# Altium PCB SCAP-PI-2L.PcbDoc (continued)
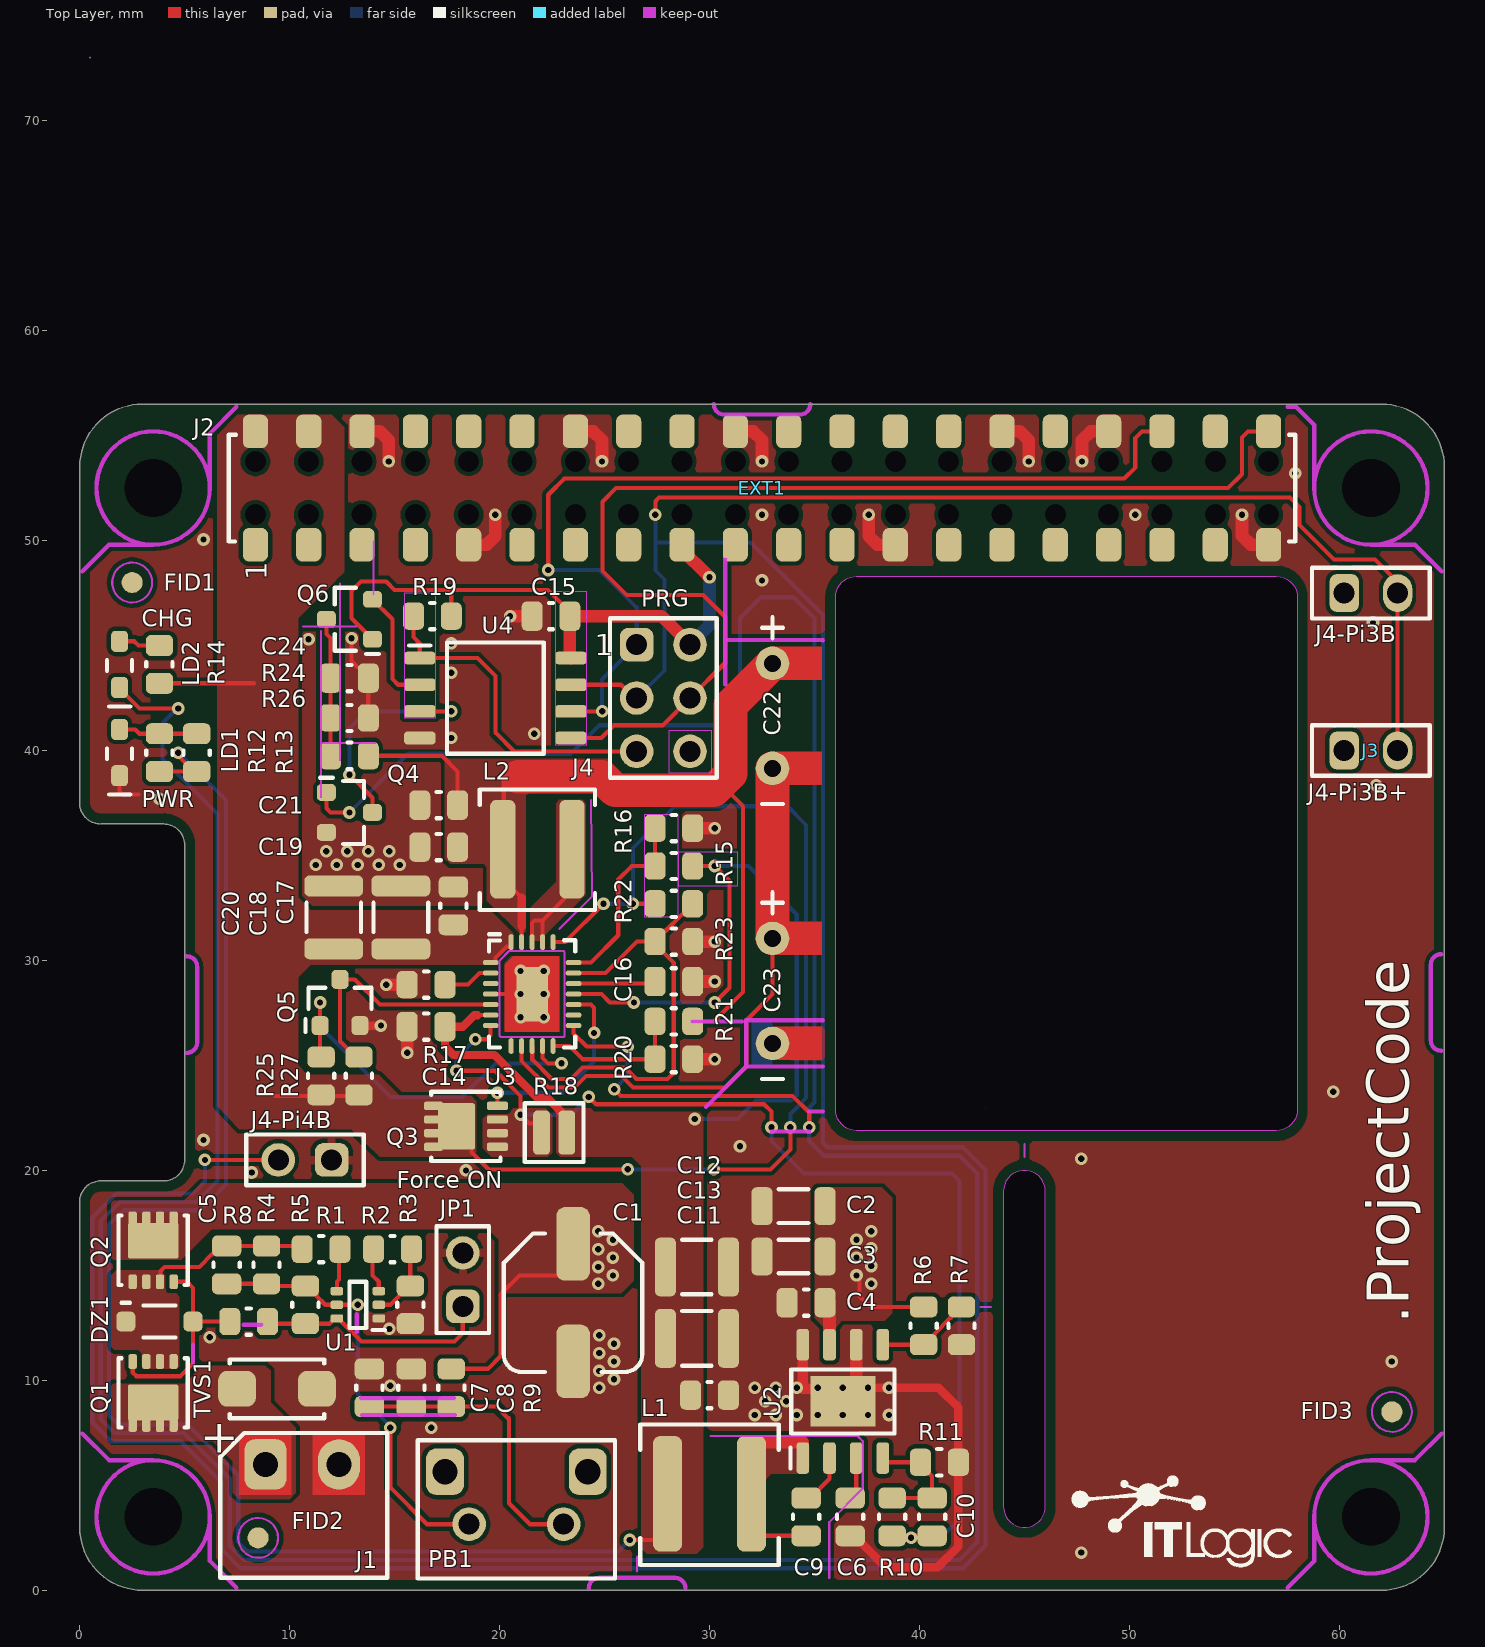
[diagram p0: Top Layer view]
## Footprints (in the part's own frame and the unit in brackets; to place one, negate y for a bottom-side part, rotate by r counter-clockwise, add the part's x,y. Pads: shape width x height; smd on the part's side, far side on the other; paste and mask are expansions set on the pad) (continued)
  rect 2.4x3.1 smd paste-3.1 mask+0: 9(0,0)
  silkscreen extent -3.2,-2.46 1.52,2.5, body extent -3,-2.45 3,2.45, height 1.57
SOIC-8-W [mm] "SOIC, 8-Leads, Body 5.20x5.30mm, Pitch 1.27mm, IPC Medium Density"
  rrect50% 1.5x0.6 smd: 1(-3.6,1.905) 2(-3.6,0.635) 3(-3.6,-0.635) 4(-3.6,-1.905) 5(3.6,-1.905) 6(3.6,-0.635) 7(3.6,0.635) 8(3.6,1.905)
  silkscreen extent -4.1,-2.65 2.3,2.65, body extent -3.98,-2.65 3.98,2.65, height 2.1
SOT-23 [mm] "SOT23, 3-Leads, Body 2.90x2.45mm, Pitch 0.95mm, IPC Medium Density"
  rrect50% 0.9x0.8 smd: 1(-1.1,0.95) 2(-1.1,-0.95) 3(1.1,0)
  silkscreen extent -1.4,-1.5 0.7,1.65, body extent -1.25,-1.5 1.25,1.5, height 1.1
SOT-363 [mm] "SOT-363"
  rrect50% 0.6x0.4 smd: 1(-1,0.65) 2(-1,0) 3(-1,-0.65) 4(1,-0.65) 5(1,0) 6(1,0.65)
  silkscreen extent -1.3,-1.1 0.4,1.2, body extent -1.05,-1.07 1.05,1.08, height 1.1
SSQ-102-01-S-BOTTOM [mm] "BPost Socket Header Vert - 1 Row - 2 Pos - 3 mm Lenght"
  rrect50% 1.4x1.8 hole 1: 1(-1.27,0)
  oval 1.4x1.8 hole 1: 2(1.27,0)
  silkscreen extent -2.8,-1.21 2.8,1.21, body extent -2.79,-1.21 2.79,1.21, height 8.52
SSQ-120-03-D-BOTTOM [mm] "BPost Socket Header Vert - 2 Row - 20 Pos - 10 mm Lenght"
  body extent -2.48,-25.65 2.48,25.65, height 8.52

## Part data
C1: library part EEE-FT1V101AP, "Cap Electrolytic Alu 100uF 300V 20% (5.8 X 6.1mm) SMD 600mA 2000h 105C", Capacitance=100uF, Case=D8, Manufacturer=Panasonic, Resistance=0.26R, Voltage Rating=35V, ComponentLink1Description="Data Sheet", ComponentLink1URL=https://industrial.panasonic.com/cdbs/www-data/pdf/RDE0000/ABA0000C1240.pdf, Manufacturer Part Number=EEE-FT1V101AP, Mount="Surface Mount"
C2 C3: library part GRT31CR61H106ME01L, "Cap 1206 Case Ceramic 10uF 50V X5S 20%", Capacitance=10uF, Case=1206, Dielectric=X5R, Manufacturer=Murata, Voltage Rating=50V, ComponentLink1Description="Data Sheet", ComponentLink1URL=https://www.mouser.com/datasheet/2/400/lcc_commercial_general_en-837201.pdf, Manufacturer Part Number=GRT31CR61H106ME01L, Mount="Surface Mount"
C4 C7 C8 C9 C11 C15 C16 C17 C19 C24: library part C0805C104K5RACTU, "Cap 0805 Case Ceramic 100nF 50V X7R", Case=0805, Dielectric=X7R, Manufacturer=KEMET, Voltage Rating=50V, Capacitance=100nF, ComponentLink1Description="Data Sheet", ComponentLink1URL=https://datasheet.ciiva.com/14589/70095383-14589048.pdf, Manufacturer Part Number=C0805C104K5RACTU, Mount="Surface Mount"
C5: library part C0805C103K5RACTU, "Cap 0805 Case Ceramic 10nF 50V X7R", Case=0805, Dielectric=X7R, Manufacturer=KEMET, Voltage Rating=50V, Capacitance=10nF, ComponentLink1Description="Data Sheet", ComponentLink1URL=https://datasheet.ciiva.com/5904/kem-c1002-x7r-smd-5904709.pdf, Manufacturer Part Number=C0805C103K5RACTU, Mount="Surface Mount"
C6 C14 C21: library part C0805C225K4RACTU, "Cap 0805 Case Ceramic 2.2uF 16V X7R 10%", Capacitance=22uF, Case=0805, Dielectric=X7R, Manufacturer=KEMET, Voltage Rating=16V, ComponentLink1Description="Data Sheet", ComponentLink1URL=http://components.arrow.com/part/dataview/0323_07281823, Manufacturer Part Number=C0805C225K4RACTU, Mount="Surface Mount"
C10: library part C0805C510K5GACTU, "Cap 0805 Case Ceramic 51pF 50V C0G 10%", Case=0805, Dielectric=C0G, Manufacturer=KEMET, Voltage Rating=50V, Capacitance=51pF, ComponentLink1Description="Data Sheet", ComponentLink1URL=https://www.mouser.com/datasheet/2/212/KEM_C1003_C0G_SMD-1101588.pdf, Manufacturer Part Number=C0805C510K5GACTU, Mount="Surface Mount"
C12 C13 C18 C20: library part GRM32ER61A107ME20L, "Cap 1210 Case Ceramic 100uF 10V X5S 20%", Capacitance=100uF, Case=1210, Dielectric=X5R, Manufacturer=Murata, Voltage Rating=10V, ComponentLink1Description="Data Sheet", ComponentLink1URL=https://www.mouser.com/datasheet/2/400/lcc_commercial_general_en-837201.pdf, Manufacturer Part Number=GRM32ER61A107ME20L, Mount="Surface Mount"
C22 C23: library part SCCT20E106SRB, "Cap Super 10F 3.0V (20 X 12.5mm) ESR 50mOhm", Manufacturer=AVX, Resistance=0.05R, Voltage Rating=3.0V, Capacitance=10F, ComponentLink1Description="Data Sheet", ComponentLink1URL=https://datasheet.ciiva.com/3773/41677623s8437994n1386-3773397.pdf, Manufacturer Part Number=SCCT20E106SRB, Mount="Through Hole"
DZ1: library part BZT52C10-E3-08, "Diode Zener Single 10V 5% 400mW SOD-123", Case=SOD-123, Manufacturer="Vishay Semiconductors", ComponentLink1Description="Data Sheet", ComponentLink1URL=https://www.vishay.com/docs/85760/bzt52.pdf, Manufacturer Part Number=BZT52C10-E3-08, Mount="Surface Mount", Voltage Rating=10V
EXT1: "Conn Post Socket Header Vert - 2 Row - 20 Pos - 10 mm Lenght - Tin", Current Rating=3A, Manufacturer=Samtec, Manufacturer Part Number=SSQ-120-03-T-D, ComponentLink1Description="Data Sheet", ComponentLink1URL=https://datasheet.ciiva.com/717/eng-cd-146256-g-146256-c-dwg-717712.pdf, Mount="Free Hanging"
FID1 FID2 FID3: library part FID-1-2MM, "Fiducial 1.0mm Diameter, 2.0mmil Mask"
J1: library part 691322110002, "Conn Term Block Header 2 Pos 3.5 mm", Current Rating=10A, Manufacturer="Wurth Electronics", Voltage Rating=300V, ComponentLink1Description="Data Sheet", ComponentLink1URL=https://datasheet.ciiva.com/8043/1442234-8043560.pdf, Manufacturer Part Number=691322110002, Mount="Through Hole"
J2: library part HLE-120-02-F-DV-BE, "Conn Socket Header Vert - 2 Row - 20 Pos - SMD", Current Rating=3A, Manufacturer=Samtec, ComponentLink1Description="Data Sheet", ComponentLink1URL=https://datasheet.ciiva.com/717/eng-cd-146256-g-146256-c-dwg-717712.pdf, Manufacturer Part Number=HLE-120-02-F-DV-BE, Mount="Surface Mount"
J3: library part SSQ-102-01-T-S, "Conn Post Socket Header Vert - 1 Row - 2 Pos - 3 mm Lenght - Tin", Current Rating=3A, Manufacturer=Samtec, ComponentLink1Description="Data Sheet", ComponentLink1URL=https://datasheet.ciiva.com/717/eng-cd-146256-g-146256-c-dwg-717712.pdf, Manufacturer Part Number=SSQ-102-01-T-S, Mount="Through Hole"
J4: library part 5-146256-3, "Breakaway Header Vert - 2 Row - 3 Pos - 6 mm Lenght - Gold", Current Rating=3A, Manufacturer="TE Connectivity", ComponentLink1Description="Data Sheet", ComponentLink1URL=https://datasheet.ciiva.com/16290/eng-cd-146256-f2-16290485.pdf, Manufacturer Part Number=5-146256-3, Mount="Through Hole"
JP1: library part 22-28-4023, "Breakaway Header Vert - 1 Row - 2 Pos - 6 mm Lenght - Gold", Current Rating=4A, Manufacturer=Molex, Voltage Rating=250V, ComponentLink1Description="Data Sheet", ComponentLink1URL=https://datasheet.ciiva.com/10088/0022284023-pcb-headers-10088337.pdf, Manufacturer Part Number=22-28-4023, Mount="Through Hole"
L1: library part XAL6060-103MEB, "Inductor Power XAL60 Series, 10uH, 7.6A,  Shielded, 27 mOhm, SMD", Manufacturer=Coilcraft, ComponentLink1Description="Data Sheet", ComponentLink1URL=https://www.coilcraft.com/xal50xx.cfm, Inductance=10µH, Manufacturer Part Number=XAL6060-103MEB, Mount="Surface Mount"
L2: library part XAL5030-222MEB, "Inductor Power SRP6540 Series, 2.2uH, 9.7A,  Shielded, 0.0132 ohm, SMD", Inductance=2.2uH, Manufacturer=Coilcraft, ComponentLink1Description="Data Sheet", ComponentLink1URL=https://www.coilcraft.com/xal50xx.cfm, Manufacturer Part Number=XAL5030-222MEB, Mount="Surface Mount"
LD1: "LED 0805 Side Green 569nm 2-Pin", Case=0805, Manufacturer="Vishay Lite-On", ComponentLink1Description="Data Sheet", ComponentLink1URL=https://www.tme.eu/Document/34ab2c4b8c99e859d5012ee3f8356040/LTST-S220GKT.pdf, Manufacturer Part Number=LTST-S220KGKT, Mount="Surface Mount"
LD2: "LED 0805 Side Yellow 588nm 2-Pin", Case=0805, Manufacturer="Vishay Lite-On", ComponentLink1Description="Data Sheet", ComponentLink1URL=https://www.mouser.com/datasheet/2/239/Lite-On-LTST-S220KSKT-1175446.pdf, Manufacturer Part Number=LTST-S220KSKT, Mount="Surface Mount"
PB1: library part 1-1825027-4, "Tactile Switch, Round Stem, Color ivory, Lenght 3.55mm, Right Angle, Through Hole.", Current Rating="50 mA", Manufacturer="TE Connectivity", Voltage Rating=24V, ComponentLink1Description="Data Sheet", ComponentLink1URL=https://www.mouser.com/datasheet/2/418/NG_CD_1825027_G4-659945.pdf, Manufacturer Part Number=1-1825027-4, Mount="Through Hole"
Q1 Q2: "Mosfet P 60V Vds 20V Vgs 25mOhm PowerDI3333-8", Case=PowerDI3333-8, Manufacturer="Diodes Incorporated", ComponentLink1Description="Data Sheet", ComponentLink1URL=https://www.diodes.com/assets/Datasheets/DMP6023LFG.pdf, Manufacturer Part Number=DMP6023LFG, Mount="Surface Mount"
Q3: "Mosfet 30V Vds 20V Vgs 5.4mOhm PowerPAK 1212-8", Case="PowerPAK 1212-8", Manufacturer=Vishay, ComponentLink1Description="Data Sheet", ComponentLink1URL=https://www.vishay.com/docs/76062/sisa88dn.pdf, Manufacturer Part Number=SISA88DN-T1-GE3, Mount="Surface Mount"
Q4 Q5 Q6: "Mosfet N 50V Vds 20V Vgs ESD 1.4R SOT-23", Case=SOT-23, Manufacturer=Diodes, ComponentLink1Description="Data Sheet", ComponentLink1URL=https://www.diodes.com/assets/Datasheets/BSS138K.pdf, Manufacturer Part Number=BSS138K-13, Mount="Surface Mount"
R1 R2 R3 R24 R27: library part RC0805FR-07100KL, "Resistor 0805 Case 100KR 1% 1/8W", Case=0805, Manufacturer=Yageo, Resistance=100kR, Voltage Rating=150V, ComponentLink1Description="Data Sheet", ComponentLink1URL=https://datasheet.ciiva.com/2457/pyu-r-int-thick-7-2457017.pdf, Manufacturer Part Number=RC0805FR-07100KL, Mount="Surface Mount"
R4 R12 R13 R14 R19: library part RC0805FR-074K7L, "Resistor 0805 Case 4.7KR 1% 1/8W", Case=0805, Manufacturer=Yageo, Resistance=4.7kR, Voltage Rating=150V, ComponentLink1Description="Data Sheet", ComponentLink1URL=https://datasheet.ciiva.com/11808/0900766b8106beab-11808155.pdf, Manufacturer Part Number=RC0805FR-074K7L, Mount="Surface Mount"
R5: library part RC0805FR-0710KL, "Resistor 0805 Case 10KR 1% 1/8W", Case=0805, Manufacturer=Yageo, Resistance=10kR, Voltage Rating=150V, ComponentLink1Description="Data Sheet", ComponentLink1URL=https://datasheet.ciiva.com/11808/0900766b8106beab-11808151.pdf, Manufacturer Part Number=RC0805FR-0710KL, Mount="Surface Mount"
R6 R8 R9 R20 R23 R26: library part RC0805FR-07200KL, "Resistor 0805 Case 200KR 1% 1/8W", Case=0805, Manufacturer=Yageo, Resistance=200kR, Voltage Rating=150V, ComponentLink1Description="Data Sheet", ComponentLink1URL=https://datasheet.ciiva.com/2457/pyu-r-int-thick-7-2457017.pdf, Manufacturer Part Number=RC0805FR-07200KL, Mount="Surface Mount"
R7 R16: library part RC0805FR-0739KL, "Resistor 0805 Case 39KR 1% 1/8W", Case=0805, Manufacturer=Yageo, Resistance=39KR, Voltage Rating=150V, ComponentLink1Description="Data Sheet", ComponentLink1URL=https://datasheet.ciiva.com/11808/0900766b8106beab-11808155.pdf, Manufacturer Part Number=RC0805FR-0739KL, Mount="Surface Mount"
R10: library part RC0805FR-0788K7L, "Resistor 0805 Case 88.7KR 1% 1/8W", Case=0805, Manufacturer=Yageo, Resistance=88.7kR, Voltage Rating=150V, ComponentLink1Description="Data Sheet", ComponentLink1URL=https://datasheet.ciiva.com/2457/pyu-r-int-thick-7-2457521.pdf, Manufacturer Part Number=RC0805FR-0788K7L, Mount="Surface Mount"
R11: library part RC0805FR-0722KL, "Resistor 0805 Case 22KR 1% 1/8W", Case=0805, Manufacturer=Yageo, Resistance=22kR, Voltage Rating=150V, ComponentLink1Description="Data Sheet", ComponentLink1URL=https://datasheet.ciiva.com/2457/pyu-r-int-thick-7-2457521.pdf, Manufacturer Part Number=RC0805FR-0722KL, Mount="Surface Mount"
R15: library part RC0805FR-07120KL, "Resistor 0805 Case 120KR 1% 1/8W", Case=0805, Manufacturer=Yageo, Resistance=120kR, Voltage Rating=150V, ComponentLink1Description="Data Sheet", ComponentLink1URL=https://datasheet.ciiva.com/2457/pyu-r-int-thick-7-2457752.pdf, Manufacturer Part Number=RC0805FR-07120KL, Mount="Surface Mount"
R17: library part RC0805FR-071KL, "Resistor 0805 Case 1KR 1% 1/8W", Case=0805, Manufacturer=Yageo, Resistance=1kR, Voltage Rating=150V, ComponentLink1Description="Data Sheet", ComponentLink1URL=https://datasheet.ciiva.com/2456/pyu-r-int-thick-7-2456976.pdf, Manufacturer Part Number=RC0805FR-071KL, Mount="Surface Mount"
R18: library part KRL2012E-M-R010-F-T5, "Resistor 0508 Case 10mR 1% 1/2W Current Sense", Case=0508, Manufacturer=Susumu, Resistance=10mR, Voltage Rating=10V, ComponentLink1Description="Data Sheet", ComponentLink1URL=https://datasheet.ciiva.com/2484/wsr-2484454.pdf, Manufacturer Part Number=KRL2012E-M-R010-F-T5, Mount="Surface Mount"
R21 R22: library part RC0805FR-071M05L, "Resistor 0805 Case 1.05MR 1% 1/8W", Case=0805, Manufacturer=Yageo, Resistance=1.05MR, Voltage Rating=150V, ComponentLink1Description="Data Sheet", ComponentLink1URL=https://datasheet.ciiva.com/2457/pyu-r-int-thick-7-2457017.pdf, Manufacturer Part Number=RC0805FR-071M05L, Mount="Surface Mount"
R25: library part RC0805FR-0722K1L, "Resistor 0805 Case 22.1KR 1% 1/8W", Case=0805, Manufacturer=Yageo, Resistance=22.1kR, Voltage Rating=150V, ComponentLink1Description="Data Sheet", ComponentLink1URL=https://datasheet.ciiva.com/2457/pyu-r-int-thick-7-2457521.pdf, Manufacturer Part Number=RC0805FR-0722K1L, Mount="Surface Mount"
TVS1: library part SMAJ26CA, "TVS Diode Bidirectional 26Vs, 42.1Vc, 9.5 Amp, SMA", Case=SMA, Manufacturer=Littelfuse, ComponentLink1Description="Data Sheet", ComponentLink1URL=https://datasheet.ciiva.com/332/littelfuse-tvs-diode-smdj-datasheet-pdf-332997.pdf, Manufacturer Part Number=SMAJ26CA, Mount="Surface Mount"
U1: "Transistor Complementary Dual 40V  200mA SOT-363", Case=SDIP-6, Manufacturer="ON Semiconductor", ComponentLink1Description="Data Sheet", ComponentLink1URL=https://datasheet.ciiva.com/1249/683405-1249888.pdf, Manufacturer Part Number=MBT3946DW1T1G, Mount="Surface Mount"
U2: "Conv DC-DC Sync Step-Down 36V 3A 9-Pin(8+Pab) HSOIC-8", Case=HSOIC-8, Manufacturer="Texas Instruments", ComponentLink1Description="Data Sheet", ComponentLink1URL=http://www.ti.com/lit/ds/symlink/lmr23630.pdf, Manufacturer Part Number=LMR23630AFDDAR, Mount="Surface Mount"
U3: "Power Management 2.5A Supercapacitor Backup Buck Converter and Charger", Case=QFN-24, Manufacturer="Analog Devices", ComponentLink1Description="Data Sheet", ComponentLink1URL=http://www.ti.com/lit/ds/symlink/lmr23630.pdf, Manufacturer Part Number=LTC4041IUFD#PBF, Mount="Surface Mount"
U4: "AVR MCU8-bit ATTiny - 2kB Flash 0.128kB EEPROM 6 I/O Pins - SOIC-8-W", Case=SOIC-8-W, Frequency=20MHz, Manufacturer=Microchip, ComponentLink1Description="Data Sheet", ComponentLink1URL=http://ww1.microchip.com/downloads/en/DeviceDoc/PIC16-L-F15313_23-Data-Sheet-40001897B.pdf, Manufacturer Part Number=ATTINY25-20SUR, Mount="Surface Mount"

## Free pads (board coordinates)
  rrect50% 1.6x1.6 hole 1: 1(12,20.5)
  rrect50% 1.4x1.8 hole 1: 1(60.23,47.5)
  round 1.6 hole 1: 2(9.46,20.5)
  oval 1.4x1.8 hole 1: 2(62.77,47.5)
  round 0 hole 2.75 unplated mask+1.5: ""(3.5,3.5) ""(3.5,52.5) ""(61.5,3.5) ""(61.5,52.5)

## Via types
v1: diameter 0.6, hole 0.3, Top Layer to Bottom Layer, tented both sides, 117 vias
v2: diameter 0.6, hole 0.3, Top Layer to Bottom Layer, tented bottom, 12 vias

## Nets (pads, with @x,y where several pads share a name; then routed paths per layer and width w, separated by ;. In a path a pad name is that pad's centre, name@x,y a point inside that pad or via, vN(x,y) a via of type N, cw(c..) or ccw(c..) an arc to the next point about the centre after c; other vN are vias at no path point)
+3.3VPi: C15.2 J2.17 J4.2 Q6.1 R19.1 U4.8 | length 29.1
  Top Layer w0.2: Q6.1 12.95,46.3 12.95,47.6 13.4,48.05 14.6,48.05 15,47.65 17.7,47.65 ; R19.1 17.7,47.65 ; C15.2 23.35,46.6 22.3,47.65 17.7,47.65
  Top Layer w0.6: U4.8 23.35,44.455 C15.2 27.71,46.4 J4.2 ; J2.17@28.69,49.56 29.9,48.35 v1(30,48.25)
  Bottom Layer w0.6: J4.2 30,45.97 v1(30,48.25)
+5V: C11.2 C12.2 C13.2 C14.2 L1.2 R12.2 R13.2 R15.2 R18.1 U3.6 U3.16 | length 116.8
  Top Layer w0.2: R12.2 R13.2@5.45,39 ; v1(4.7,39.9) 4.777,39.823 4.777,39.673 R13.2@5.45,39 ; R13.2 R13.2@5.45,39 ; 18.95,27.4 U3.6 ; U3.16 24.85,28.4 25.25,28 v1(26.4,28) ; v1(26.2,2.4) 27.75,2.4 L1.2@28.2,2.85 ; R15.2 v1(30.25,34.5) 30.95,33.8 30.95,28.7 v1(30.25,28)
  Top Layer w0.4: 18.95,27.4 18.8,27.4 18.25,26.85 C14.2 17.4,25.9 17.8,25.5 19.75,25.5 21.8,23.45 22.275,23.45 23.2,22.525 R18.1
  Bottom Layer w0.2: v1(4.7,39.9) 6.966,37.634 6.966,19.334 5.731,18.1 2.081,18.1 1.4,17.419 1.4,8.331 1.831,7.9 5.131,7.9 7.55,5.481 7.55,2.3 8,1.85 25.65,1.85 v1(26.2,2.4) ; v1(26.4,28) v1(30.25,28) ; v1(29.3,22.45) 31.334,22.45 32.209,23.325 33.909,23.325 34.15,23.566 34.15,32.2 31.85,34.5 v1(30.25,34.5)
+5VUPS: C17.2 C18.2 C20.2 J2.2 J2.4 Q3.3 R14.1 R22.2 R25.2 R27.2 U3.1 U3.20 U3.24 | length 61.2
  Top Layer w0.2: R14.1 8.3,43.2 ; 9.3,23.55 R27.2@13.15,23.55 ; Q3.3@17.95,22.1 17.95,21.45 18.315,21.45 18.665,21.1 18.665,20.867 19.482,20.05 v1(26.1,20.05) ; U3.1 19.777,29.9 19.801,29.923 19.801,30.126 20.324,30.649 20.527,30.649 20.55,30.673 U3.24 ; U3.20 23.125,30.875 v1(24.95,32.7) ; v1(26.35,32.7) R22.2 ; v1(30.2,20.05) 32.9,20.05 33.85,21 v1(33.85,22.05)
  Bottom Layer w0.2: v1(24.95,32.7) v1(26.35,32.7) 26.35,35.35 28.35,37.35 33.7,37.35 34.6,36.45 34.6,23.45 33.85,22.7 v1(33.85,22.05) ; v1(26.1,20.05) v1(30.2,20.05) v1@30.35,20.05
+24Safe: C5.2 DZ1.1 Q1.1 Q2.1 R1.1 R4.2 | length 7.8
  Top Layer w0.2: Q2.1@3.825,14.7 3.845,14.72 3.845,15.195 4.05,15.4 5.7,15.4 6.311,16.011 6.33,16.011 6.719,16.4 C5.2 R4.2 ; R4.2 10.45,16.4 R1.1
+24V: J1.1 Q1.3 TVS1.2
+24VCtrl: C1.1 C2.2 C3.2 C4.2 Q2.3 R6.2 R9.2 U2.7 | length 16.8
  Top Layer w0.2: R9.2 19.45,10.55 20.05,11.15 20.05,14.1 20.95,15 23.25,15 23.5,15.25 C1.1 ; v1@37.15,14.75 37.15,14 37.65,13.5 R6.2
  Top Layer w0.6: U2.7 C4.2@35.715,13.765
  other v1: 24.7,14.6 37.7,14.6 25.4,15 37,15 24.7,15.4 37.7,15.45 25.4,15.85 37,15.85 24.7,16.25 37.7,16.3 25.4,16.7 37,16.7 24.7,17.1 37.7,17.1
ADCIN: Q6.2 U4.2 | length 5.6
  Top Layer w0.2: Q6.2 14.9,46.25 14.9,43.4 15.165,43.135 U4.2
BAL: C22.2 C23.1 U3.9 | length 27.5
  Top Layer w0.2: U3.9 21.05,25.219 22.319,23.95 23.566,23.95 24.116,24.5 25.42,24.5 25.799,24.5 26.349,23.95 30.75,23.95 31.75,24.95 31.75,27.15 33,28.4 C23.1
  Top Layer w1.6: C23.1 C22.2
BSTEN: Q5.3 R27.1 U3.5 | length 11.3
  Top Layer w0.2: R27.1@12.917,25.683 12.867,25.683 12.4,26.15 Q5.3 13.1,29.1 14.3,27.9 U3.5
BSTFB: R22.1 R23.2 U3.10 U3.18 | length 21.8
  Top Layer w0.2: U3.10 21.56,25.915 21.56,25.275 22.484,24.35 23.4,24.35 23.95,24.9 25.586,24.9 25.964,24.9 26.514,24.35 28,24.35 28.3,24.65 28.3,29.883 R23.2@27.4,30.783 ; U3.18 25.05,29.4 26.55,30.9 R23.2 ; R23.2@27.4,30.969 27.845,31.414 27.914,31.414 28.686,32.186 28.755,32.186 29.194,32.625 R22.1@29.2,32.625
CAPFB: R20.2 R21.1 U3.12 | length 6.9
  Top Layer w0.2: U3.12 23.325,25.925 23.95,25.3 25.851,25.3 26.348,25.3 R20.2 R21.1
CAPGD: LD2.1 Q4.1 U3.13 | length 188
  Top Layer w0.2: LD2.1 1.9,42.954 2.854,42 v1(4.7,42) ; Q4.1 11.75,37.25 11.95,37.05 v1(12.85,37.05) ; U3.13 23.525,26.525 24.15,25.9 v1(26.1,25.9) ; v1(25.463,23.863) 25.776,23.55 33.95,23.55 34.75,22.75 v1(34.75,22.05)
  Bottom Layer w0.2: v1(4.7,42) 4.65,42 3.95,41.3 3.95,39.6 6.566,36.984 6.566,19.5 5.566,18.5 1.916,18.5 1,17.584 1,8.166 1.666,7.5 4.966,7.5 7.15,5.316 7.15,2.134 7.834,1.45 41.9,1.45 42.75,2.3 42.75,19.85 41.9,20.7 35.45,20.7 34.95,21.2 34.75,21.4 v1(34.75,22.05) 34.75,23 35,23.25 35,46.3 34,47.3 32.45,47.3 31.45,46.3 31.45,42.2 30.45,41.2 24.75,41.2 23.4,39.85 15.65,39.85 v1(12.85,37.05) ; v1(25.463,23.863) 26.1,24.5 v1(26.1,25.9)
GND: C1.2 C2.1 C3.1 C4.1 C6.1 C7.1 C8.1 C11.1 C12.1 C13.1 C14.1 C15.1 C16.1 C17.1 C18.1 C19.1 C20.1 C21.1 C23.2 C24.1 J1.2 J2.6 J2.9 J2.14 J2.20 J2.25 J2.30 J2.34 J2.39 J4.6 JP1.2 LD1.1 pad.1@12,20.5 Q4.2 Q5.2 R3.1 R7.1 R11.1 R16.1 R17.1 R20.1 R23.1 R24.1 TVS1.1 U1.1 U2.6 U2.8 U2.9 U3.4 U3.25 U4.4 | length 58.6
  Top Layer w0.2: LD1.1 1.9,38.05 2.05,37.9 2.8,37.9 ; v1(12.95,45.35) 12.95,44.25 13.243,43.957 13.361,43.957 13.75,43.569 C24.1 R24.1 ; U3.4 v2(21,28.4)
  Top Layer w0.4: Q5.2 v1(14.35,26.9) ; C6.1 36.9,2.6 37.45,2.05 37.45,2.039 38.389,1.1 40.861,1.1 41.85,2.089 R11.1 41.85,8.7 40.9,9.65 v2(37.55,9.65)
  Top Layer w0.5: U2.8@34.445,11.65 34.445,9.6 U2.9@35.15,9.6
  Top Layer w0.6: J2.6 14.3,55.2 14.72,54.78 v1(14.72,53.77) ; v1(14.6,28.85) R17.1 ; v1(15.6,25.6) C14.1 ; J2.9 19.38,49.8 19.8,50.22 v1(19.8,51.23) ; v1(20.5,46.4) C15.1 ; J2.14 24.46,55.2 24.88,54.78 v1(24.88,53.77) ; R20.1 v1(30.25,25.3) ; C16.1 v1(30.25,29) ; R23.1 v1(30.25,30.9) ; R16.1 v1(30.25,36.3) ; J2.20 32.08,55.2 32.5,54.78 v1(32.5,53.77) ; U2.9 U2.9@36.95,9.6 ; U2.9@36.985,9.635 U2.6 ; v1(37.58,51.23) 37.58,50.22 38,49.8 J2.25 ; J2.30 44.78,55.2 45.2,54.78 v1(45.2,53.77) ; v1(47.74,53.77) 47.74,54.78 48.16,55.2 J2.34 ; v1(55.36,51.23) 55.36,50.22 55.78,49.8 J2.39
  other v1: 47.7,1.8 16.75,7.75 32.15,8.35 33.15,8.35 34.15,8.35 38.55,8.35 32.65,9 33.65,9 24.75,9.65 32.15,9.65 33.15,9.65 34.15,9.65 38.55,9.65 14.8,9.75 25.45,10.05 24.75,10.45 25.45,10.9 62.5,10.9 24.75,11.3 25.45,11.75 6.2,12.05 24.75,12.15 14.75,12.45 8.2,19.9 18.4,20 47.7,20.55 31.45,21.15 5.9,21.45 59.7,23.75 11.25,34.55 12.25,34.55 13.25,34.55 14.25,34.55 15.251,34.55 11.75,35.2 12.75,35.2 13.75,35.2 14.751,35.2 3.8,37.7 61.75,38.35 17.7,40.6 21.65,40.8 17.7,43.7 17.7,45.1 10.9,45.3 61.6,46.1 32.5,48.1 5.9,50.05 32.5,51.23 50.28,51.23 57.9,53.2
  other v2: 35.15,8.35 36.35,8.35 37.55,8.35 35.15,9.65 36.35,9.65 21,27.3 22.1,27.3 22.1,28.4 21,29.5 22.1,29.5
MISO: J2.36 J4.1 U4.6 | length 47.3
  Top Layer w0.2: v1(22.32,48.6) 22.32,52.186 ; 22.34,52.206 23.084,52.95 49.75,52.95 50.28,53.48 50.28,54.88 50.6,55.2 J2.36 ; U4.6 v1(24.885,41.865) ; J4.1@26.287,44.797 J4.1
  Bottom Layer w0.2: v1(22.32,48.6) 24.75,48.6 26.53,46.82 J4.1 24.885,43.395 v1(24.885,41.865)
MOSI: J2.40 J4.4 U4.5 | length 55.8
  Top Layer w0.2: U4.5 24.845,40.595 25.45,41.2 27.77,41.2 J4.4 30.75,44.18 30.75,46.35 29.7,47.4 26.05,47.4 24.9,48.55 24.9,51.85 ; 24.9,51.25 24.9,51.85 ; J2.40 55.65,55.2 55.36,54.91 55.36,53.16 54.7,52.5 25.55,52.5 24.9,51.85
NetC6_2: C6.2 U2.3 | length 2
  Top Layer w0.2: C6.2 36.985,4.685 U2.3
NetC7_2: C7.2 C8.2 PB1.2 R9.1 | length 13.9
  Top Layer w0.2: C7.2 C8.2@15.7,8.75 ; C8.2 R9.1 19.85,8.75 20.45,8.15 ; 20.45,8.2 20.45,8.15 ; PB1.2 21.45,3.15 20.45,4.15 20.45,8.15
NetC9_1: C9.1 U2.2 | length 2.5
  Top Layer w0.2: C9.1 34.8,4.4 35.715,5.315 U2.2
NetC9_2: C9.2 L1.1 U2.1 | length 8.8
  Top Layer w0.2: L1.1@32,5.969 L1.1 32,3.181 32.581,2.6 C9.2
  Top Layer w0.6: L1.1@32,7.05 34.445,7.05 U2.1
NetC10_1: C10.1 R10.1 R11.2 U2.4 | length 5.7
  Top Layer w0.2: U2.4 38.255,6.296 38.451,6.1 R11.2 40.05,5.983 40.6,5.433 C10.1 R10.1
NetC10_2: C10.2 Q3.1 R10.2 R18.2 U3.7 | length 53.6
  Top Layer w0.2: v1(17.95,24.75) 19.793,24.75 21,23.543 v1(21,22.65) 21.417,22.233 21.708,22.233 22,21.94 R18.2 ; v1(18.85,26.25) 19.4,26.25 19.575,26.425 U3.7 ; v1(24.25,23.5) 24.6,23.15 32.6,23.15 32.95,22.8 v1(32.95,22.05) ; R10.2 v1@39.6,2.6 ; v1(39.6,2.5) v1@39.6,2.6 ; C10.2 v1@39.65,2.6 ; v1@39.6,2.6 v1@39.65,2.6 ; v1@39.6,2.6 39.6,2.65 v1@39.65,2.6
  Bottom Layer w0.2: v1(17.95,24.75) 17.95,25.35 v1(18.85,26.25) ; v1(21,22.65) 23.4,22.65 v1(24.25,23.5) ; v1(32.95,22.05) 32.95,21.4 34.5,19.85 41.55,19.85 41.9,19.5 41.9,3.4 41,2.5 v1(39.6,2.5)
NetC16_2: C16.2 U3.17 | length 3.8
  Top Layer w0.2: U3.17 C16.2@27.3,28.9
NetC24_2: C24.2 Q6.3 R24.2 R26.1 | length 6.6
  Top Layer w0.2: Q6.3 11.75,45.55 11.95,45.35 C24.2 R26.1
NetDZ1_2: DZ1.2 Q1.2 Q2.2 R8.2 | length 10.1
  Top Layer w0.2: Q1.2 2.525,10.375 2.7,10.2 4.8,10.2 5.4,10.8 DZ1.2 ; Q2.2 5.1,14.7 5.4,14.4 DZ1.2 ; R8.2 DZ1.2
NetJP1_1: JP1.1 R5.2 R8.1 U1.6 | length 11.4
  Top Layer w0.2: R8.1 9.05,12.7 R5.2 11.9,12.7 12.15,12.95 U1.6 12.35,12.95 12.45,12.85 12.45,12.817 13.417,11.85 17.85,11.85 18.25,12.25 JP1.1
NetL2_1: L2.1 U3.21 U3.22 | length 6.5
  Top Layer w0.2: U3.22 21.55,31.783 21.667,31.9 22.05,31.9 ; U3.21 22.05,31.9 ; L2.1 23.073,34.923 23.073,32.923 22.05,31.9
NetLD1_2: LD1.2 R12.1 R13.1 | length 3.8
  Top Layer w0.2: LD1.2 2.65,41 2.85,40.8 R12.1 R13.1
NetLD2_2: LD2.2 R14.2 | length 2
  Top Layer w0.2: LD2.2 2.6,45.2 2.8,45 R14.2
NetQ3_2: Q3.2 U3.15 | length 10
  Top Layer w0.2: Q3.2@19.7,23.15 19.775,23.075 Q3.2 ; Q3.2@19.9,23.1 v1(19.9,23.7) ; U3.15 24.35,27.9 24.5,27.75 v1(24.5,26.55)
  Bottom Layer w0.2: v1(19.9,23.7) 19.7,23.7 23,23.7 24.5,25.2 v1(24.5,26.55)
NetR1_2: R1.2 U1.4 | length 2
  Top Layer w0.2: U1.4 12.25,14.7 12.35,14.8 R1.2@12.35,16.25
NetR2_1: R2.1 R3.2 U1.2 | length 3.7
  Top Layer w0.2: U1.2 14.8,13.6 15.211,14.011 15.211,14.03 15.681,14.5 R3.2 R2.1@15.75,16.3
NetR2_2: R2.2 U1.3 | length 2.2
  Top Layer w0.2: R2.2@13.95,16.3 13.95,15 14.25,14.7 U1.3
NetR6_1: R6.1 R7.2 U2.5 | length 4.6
  Top Layer w0.2: U2.5 R6.1 40.269,11.7 40.714,12.145 40.714,12.214 41.486,12.986 41.486,13.055 41.931,13.5 R7.2
NetR17_2: R17.2 U3.2 | length 2.4
  Top Layer w0.2: R17.2 18.5,28.85 19.05,29.4 U3.2
OnOff: C5.1 PB1.1 R4.1 R5.1 U1.5 | length 20.3
  Top Layer w0.2: C5.1 R4.1 ; R4.1@8.95,14.5 R5.1 ; R5.1@10.819,14.5 11.289,14.03 11.289,14.011 11.7,13.6 U1.5 v1(13.25,13.6) ; 14.8,4.9 16.55,3.15 PB1.1 ; 14.8,4.9 v1(14.8,7.75)
  Bottom Layer w0.2: v1(13.25,13.6) 13.25,9.35 14.8,7.8 v1(14.8,7.75)
PFI: R15.1 R16.2 U3.19 | length 9.1
  Top Layer w0.2: U3.19 24.35,29.9 25.65,31.2 25.65,33.85 26.3,34.5 R15.1 R16.2
PWFAIL: Q4.3 U4.3 | length 11.2
  Top Layer w0.2: v1(12.85,38.85) 13.95,37.75 Q4.3 ; U4.3@16.215,41.85 U4.3 v1(17.7,41.865)
  Bottom Layer w0.2: v1(12.85,38.85) 12.85,41.05 13.665,41.865 17.685,41.865 v1@17.7,41.85
RESET: J4.5 R19.2 U4.1 | length 15.9
  Top Layer w0.2: R19.2 15.9,45.4 16.2,45.1 U4.1 18.945,44.405 19.8,43.55 19.8,40.85 20.7,39.95 26.52,39.95 J4.5
SCAP: C19.2 C21.2 C22.1 L2.2 R21.2 R26.2 U3.23 | length 44.6
  Top Layer w0.2: R26.2 17.25,39.75 18,39 C21.2 ; 20.2,38.65 20.2,35.35 L2.2 20.15,33.9 21.05,33 ; U3.23@21.05,30.9 21.05,31.625 ; R21.2 30.2,27.1 31.6,28.5 31.6,37.35 30.85,38.1 30.85,38.75 31,38.9
  Top Layer w0.4: 21.05,31.625 21.05,33
  Top Layer w1.6: 20.894,38.75 24.85,38.75 25.5,38.1 30.2,38.1 30.85,38.75 ; 31,38.9 31,42.15 C22.1
SCK: J3.2 J4.3 pad.2 U4.7 | length 187.9
  Top Layer w0.2: v1(5.966,20.5) pad.2@9.46,20.5 ; U4.7 25.775,43.135 26.41,42.5 J4.3 ; v1(27.42,51.23) 27.42,51.87 27.6,52.05 57.65,52.05 58.1,51.6 58.1,50.75 59.75,49.1 61.7,49.1 62.77,48.03 62.77,47.5 J3.2
  Bottom Layer w0.2: v1(5.966,20.5) 5.966,19.466 5.4,18.9 1.75,18.9 0.6,17.75 0.6,8 1.5,7.1 4.8,7.1 6.75,5.15 6.75,1.969 7.669,1.05 42.066,1.05 43.15,2.134 43.15,20.016 42.066,21.1 35.616,21.1 35.4,21.316 35.4,46.466 31.961,49.905 27.42,49.905 ; J4.3 27.85,43.82 27.85,48.15 27.42,48.58 27.42,49.905 ; v1(27.42,51.23) 27.42,49.905
SYSGD: Q5.1 R25.1 U3.11 | length 18.9
  Top Layer w0.2: v1(11.45,28) Q5.1 11.45,25.45 R25.1 ; U3.11 22.05,25.35 22.3,25.1 v1(22.95,25.1)
  Bottom Layer w0.2: v1(11.45,28) 11.45,26.85 14.8,23.5 18.2,23.5 19.8,25.1 v1(22.95,25.1)
pads on no net: FID1.F FID2.F FID3.F J2. J2.1 J2.3 J2.5 J2.7 J2.8 J2.10 J2.11 J2.12 J2.13 J2.15 J2.16 J2.18 J2.19 J2.21 J2.22 J2.23 J2.24 J2.26 J2.27 J2.28 J2.29 J2.31 J2.32 J2.33 J2.35 J2.37 J2.38 J3.1 PB1.S U3.3 U3.8 U3.14

## Polygon pours and split planes (outlines as drawn)
SCAP on Top Layer "Top Layer-SCAP" (solid, remove dead copper, pour order 269): 19.4,32.85 19.4,34.45 19.25,34.6 17.65,34.6 17.4,34.85 17.4,39.6 25.15,39.6 26.2,38.55 26.2,38.2 21.6,38.2 21.25,37.85 21.25,31.4 21.05,31.2
+5VUPS on Top Layer "Top Layer+5VUPS" (solid, remove dead copper, pour order 267): 18.718,29.8 19.85,29.8 19.85,30.2 20.275,30.625 20.65,30.625 20.65,31.3 19.55,32.4 11,32.4 10.4,33 10.4,46.3 11.55,47.45 12.601,48.501 12.601,52.53 12.601,55.407 12.002,56.006 6.55,56.006 6.55,23.057 7.6,21.95 12.932,21.95 14.291,20.65 18.65,20.65 18.9,20.9 18.9,23.291 18.652,23.55 15.25,23.55 14.25,24.55 10.85,24.55 10.4,25 10.4,29.2 11,29.8
GND on Top Layer "Top Layer-GND 1" (solid, remove dead copper, pour order 271): 16.9,35.4 16.75,35.55 11.25,35.55 10.6,34.9 10.6,33.2 11.2,32.6 18.55,32.6 18.75,32.8 18.75,34.15 18.5,34.4 17.45,34.4 16.9,34.95
+24Safe on Top Layer "Top Layer+24SAFE_P269" (solid, remove dead copper, pour order 265): 1.5,15 1.75,15.25 3.85,15.25 4.1,15 4.1,14.25 4.2,14.15 4.65,14.15 4.75,14.05 4.75,10.65 4.65,10.55 3.05,10.55 2.95,10.65 2.95,11.3 2.8,11.45 1.6,11.45 1.5,11.55
+24V on Top Layer "Top Layer-+24V" (solid, remove dead copper, pour order 263): 1.6,7.1 5.35,7.1 6.35,7.1 7.3,6.15 7.3,4.65 7.6,4.35 10,4.35 10.3,4.65 10.3,7.75 9.1,8.95 9.1,10.45 8.85,10.7 5.85,10.7 5,9.85 1.6,9.85 1.5,9.75 1.5,7.2
GND on Top Layer "Top Layer-GND 2" (solid, remove dead copper, pour order 275): 9.7,9.15 10.9,7.95 10.9,4.65 11.2,4.35 13.6,4.35 13.9,4.65 13.9,7.55 13.65,7.8 13.05,7.8 12.65,8.2 12.65,10.45 12.4,10.7 9.95,10.7 9.7,10.45
+24VCtrl on Top Layer "Top Layer+24V" (solid, remove dead copper, pour order 261): 35.5,12.002 35.5,12.45 35,12.95 35,18.9 35.3,19.2 38.2,19.2 38.7,18.7 38.7,16.6 38.7,13.2 38.35,12.85 36.3,12.85 35.9,12.37 35.9,12.002
+24VCtrl on Top Layer "Top Layer+24VCTRL_P298" (solid, remove dead copper, pour order 257): 1.6,15.75 4.85,15.75 6.3,17.2 19.45,17.2 19.95,16.7 19.95,13.8 20.3,14.15 25.8,14.15 26.4,14.75 26.4,18.85 25.85,19.4 5.8,19.4 4.95,18.55 1.6,18.55 1.5,18.45 1.5,15.85
GND on Top Layer "Top Layer-GND" (solid, remove dead copper, pour order 279): 0,56.5 65,56.5 65,0 0,0
NetC9_2 on Top Layer "Top Layer-NetC9_2" (solid, remove dead copper, pour order 238): 34.75,6.85 34.75,5.85 34.45,5.55 32.95,5.55 32.5,5.1 31.65,5.1 31.65,7.1 34.5,7.1
NetL2_1 on Top Layer "Top Layer-NETL2_1" (solid, remove dead copper, pour order 224): 22.7,37.5 22.85,37.65 23.95,37.65 24.1,37.5 24.1,33.139 22.15,31.212 22.15,30.95 21.45,30.95 21.45,32.5 22.7,33.75
NetC10_2 on Top Layer "Top Layer-NETQ1" (solid, remove dead copper, pour order 220): 19.6,20.65 19.2,21.05 19.2,22.45 19.45,22.7 20.4,22.7 20.65,22.95 22.3,22.95 22.5,22.75 22.5,20.85 22.3,20.65
+5V on Top Layer "Top Layer+5V" (solid, remove dead copper, pour order 183): 26.75,20.2 26.3,20.65 22.9,20.65 22.7,20.85 22.7,22.75 22.9,22.95 24.35,22.95 24.5,22.8 29.5,22.8 29.7,22.58 29.7,2.05 29.4,1.75 27,1.75 26.75,2
+24VCtrl on Bottom Layer "BottomLayer+24V" (solid, remove dead copper, pour order 281): 24.4,17.55 24,17.15 24,14.6 24.45,14.15 38,14.15 38.4,14.55 38.4,17.1 37.95,17.55
GND on Bottom Layer "Bottom Layer-GND" (solid, remove dead copper, pour order 285): 0,56.5 65,56.5 65,0 0,0
no net on Top Solder (solid, remove dead copper): 45.85,49.45

## Keep-outs
Top Layer:
  rectangle: 26.9,32.08 28.5,36.95
  region: 31.35,33.55 31.35,35.15 28.5,35.15 28.5,33.55
  rectangle: 15.45,41.55 16.95,47.5
  rectangle: 28.05,38.95 30.1,40.95
  rectangle: 22.65,40.28 24.15,47.55
  lines w0.1: 10.65,45.9 13.15,45.9 ; 11.5,37.8 11.5,45.7 ; 11.6,40.35 14.1,40.35 ; 12.4,39.55 12.4,47.95 ; 14,47.45 14,49.95 ; 22.85,31.5 24.407,33.057 24.364,37.65 ; 26.55,0.9 26.55,1.6 ; 30.05,7.35 35.75,7.35 36.15,7.35 37.05,7.35 37.3,7.1 37.3,4.85 35.7,3.25 35.7,0.6 ; 42.9,13.5 43.4,13.5 ; 45,20.65 45,21.25 ; 20,26.4 20,30 20.45,30.45 23.05,30.45 23.1,30.4 23.1,26.4 23.05,26.35 20.05,26.35 20,26.4
  lines w0.2: 5.4,10.85 5.4,11.7 ; 7.8,12.65 8.65,12.65 ; 13.2,12.3 13.2,13.15 ; 13.4,9.15 17.833,9.15 ; 13.45,8.35 17.883,8.35 ; 29.2,27.1 31.55,27.1 ; 30.75,43.15 30.75,49.1 ; 30.75,45.265 35.4,45.25 ; 32.95,21.85 34.75,21.85 ; 34.75,22.8 35.4,22.8 ; 35.4,24.95 31.75,24.95 ; 35.4,27.15 31.75,27.15 31.75,24.95 ; 31.75,24.95 29.825,23.025 31.75,24.95
Bottom Layer:
  lines w0.2: 26.25,45.75 29.55,45.75 ; 29.85,41.2 29.85,45.85
Keep-Out Layer:
  circle w0.2: c3.5,3.5 r2.7
  circle w0.2: c61.5,3.5 r2.7
  circle w0.2: c61.5,52.5 r2.7
  circle w0.2: c3.5,52.5 r2.7
  lines w0.1: 0.5,73 0.5,73
  lines w0.2: 0.125,7.475 1.4,6.2 3.5,6.2 ; 0.125,48.525 1.4,49.8 3.5,49.8 ; 5.1,25.6 ccw(c5.1,26.1) 5.6,26.1 5.6,29.7 ccw(c5.1,29.7) 5.1,30.2 ; 6.2,3.5 6.2,1.4 7.475,0.125 ; 6.2,52.5 6.2,55.1 7.475,56.375 ; 24.25,0.1 cw(c24.75,0.1) 24.75,0.6 28.35,0.6 cw(c28.35,0.1) 28.85,0.1 ; 30.2,56.5 ccw(c30.7,56.5) 30.7,56 34.3,56 ccw(c34.3,56.5) 34.8,56.5 ; 57.525,0.125 58.8,1.4 58.8,3.5 ; 57.525,56.375 57.925,56.375 58.8,55.5 58.8,52.5 ; 61.5,6.2 63.6,6.2 64.875,7.475 ; 61.5,49.8 63.6,49.8 64.875,48.525 ; 64.85,25.7 cw(c64.85,26.2) 64.35,26.2 64.35,29.8 cw(c64.85,29.8) 64.85,30.3

## Other copper
Top Layer:
  rectangle net +24V: 7.6,4.55 10.1,7.45
  rectangle net GND: 11.1,4.55 13.6,7.45
  rectangle net GND: 33,25.25 35.35,26.85
  rectangle net SCAP: 33,43.35 35.35,44.95
  rectangle net BAL: 33,38.35 35.35,39.95
  rectangle net BAL: 33,30.25 35.35,31.85
Bottom Layer:
  rectangle net GND: 32,25.05 33,27.05

## Silkscreen, mask and mechanical layers (free items; w line width, h text height)
Top Overlay:
  drawing of 20 lines, arcs and shapes, not listed
  text "CHG" at 2.95,45.9 h0.8
  text "J4-Pi3B" at 58.85,45.15 h0.8
  text "J4-Pi3B+" at 58.5,37.6 h0.8
  text "PWR" at 2.95,37.3 h0.8
  text "J4-Pi4B" at 8.15,22 h0.8
  text "Force ON" at 15.1,19.15 h0.8
  text ".ProjectCode" at 63.3,12.7 h2 r90
  text "+" at 5.75,6.55 h1.6
Bottom Overlay:
  drawing of 6 lines, arcs and shapes, not listed
  text "To enable the self power off / add the following instructions / at the end of the file /boot/config.sys /  / dtoverlay=gpio-poweroff,gpiopin=21 / dtoverlay=gpio-shutdown,gpio_pin=16,active_low=0" at 21.45,48.75 h0.9 r90
Board:
  lines w0.1: 0,3 ccw(c3,3) 3,0 62,0 ccw(c62,3) 65,3 65,22 65,48.4 65,53.5 ccw(c62,53.5) 62,56.5 3,56.5 ccw(c3,53.5) 0,53.5 0,37.5 ccw(c1,37.5) 1,36.5 4,36.5 cw(c4,35.5) 5,35.5 5,20.5 cw(c4,20.5) 4,19.5 1,19.5 ccw(c1,18.5) 0,18.5 0,3 ; 36,22.9 ccw(c37,22.9) 37,21.9 57,21.9 ccw(c57,22.9) 58,22.9 58,47.3 ccw(c57,47.3) 57,48.3 37,48.3 ccw(c37,47.3) 36,47.3 36,22.9 ; 44,4 ccw(c45,4) 46,4 46,19 ccw(c45,19) 44,19 44,4

## Text inside footprints (layer, text, board x,y; h text height)
J2: Top Overlay "1" at 8.9,48.1 h1 r90
J4: Top Overlay "1" at 24.53,44.54 h1